# Altium PCB Antenna_base_v5.PcbDoc (part 1 of 2) (continued)
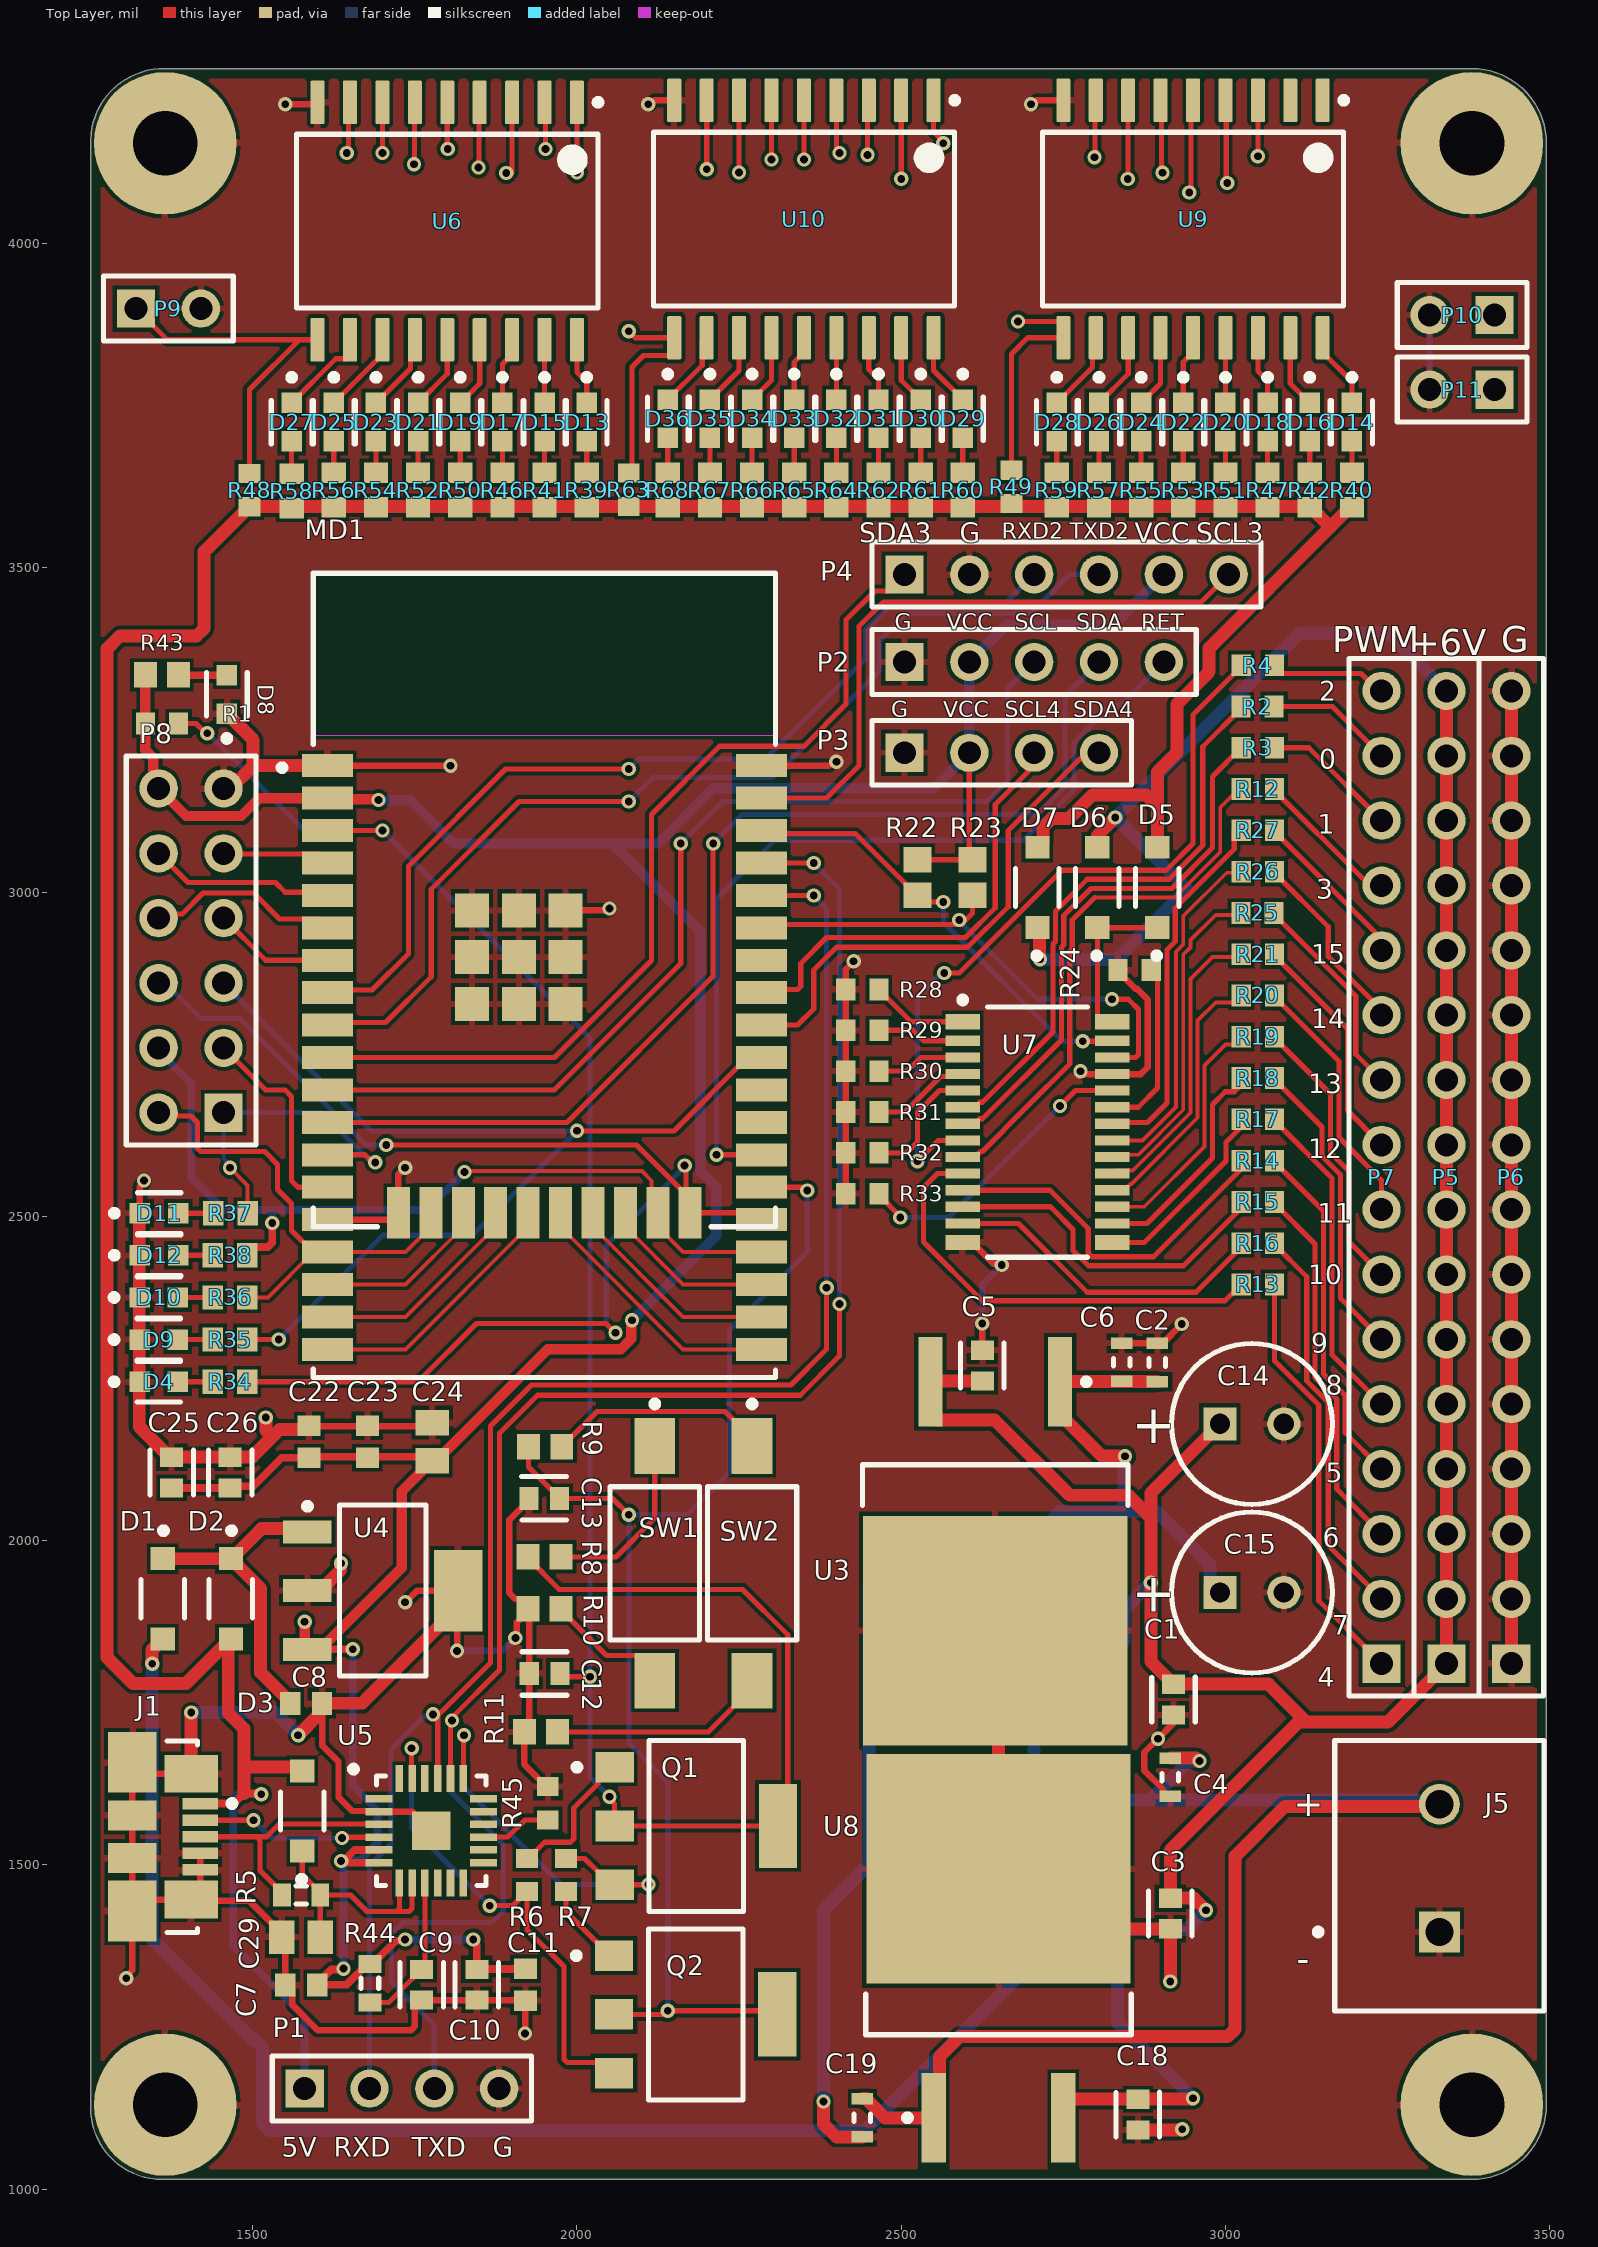
[diagram p0: Top Layer view]
## Design rules (kind name [scope] priority, off if disabled: settings)
BoardOutlineClearance [All] p1: gap=15 ignorepadtopadclearanceinfootprint=FALSE
Clearance "Clearance Polygons" [InPolygon] p1: gap=6 ignorepadtopadclearanceinfootprint=FALSE except(0: Arc-Hole Track-Hole SMDPad-Hole THPad-Hole Via-Hole Fill-Hole Poly-Hole Region-Hole Text-Hole)
Clearance [All] p2: gap=5 ignorepadtopadclearanceinfootprint=FALSE except(0: Arc-Hole Track-Hole SMDPad-Hole THPad-Hole Via-Hole Fill-Hole Poly-Hole Region-Hole Text-Hole; 2: SMDPad-Via)
ComponentClearance "HM-TRP & UFL" [InComponent('X1') vs InComponent('U1')] p1: gap=0 collisioncheckmode=3 verticalgap=0 showdistances=FALSE
ComponentClearance [All] p2: gap=0 collisioncheckmode=3 verticalgap=0 showdistances=FALSE
DiffPairsRouting [All] p1: maxlimit=393.7 minlimit=5 mostfreqgap=8 toplayer_minwidth=5 toplayer_maxwidth=15 toplayer_prefwidth=8 midlayer1_minwidth=5 midlayer1_maxwidth=15 midlayer1_prefwidth=8 midlayer2_minwidth=5 midlayer2_maxwidth=15 midlayer2_prefwidth=8 bottomlayer_minwidth=5 bottomlayer_maxwidth=15 bottomlayer_prefwidth=8 maxuncoupledlength=500
HoleSize [All] p1: absolutevalues=TRUE maxlimit=265 minlimit=10 maxpercent=80.000 minpercent=20.000
HoleToHoleClearance [All] p1: gap=10 allowstackedmicrovias=FALSE
MinimumAnnularRing [All] p1: minimumring=4
MinimumSolderMaskSliver [All] p1: minsoldermaskwidth=0
PlaneClearance [All] p1: clearance=10
PlaneConnect [All] p1: planeconnectstyle=Relief reliefexpansion=4 reliefentries=4 reliefconductorwidth=6 reliefairgap=6
PolygonConnect "Via connect style" [isVia] p1: connectstyle=Direct reliefconductorwidth=10 reliefentries=4 polygonreliefangle="90 Angle" airgapwidth=10
PolygonConnect [All] p2: connectstyle=Relief reliefconductorwidth=10 reliefentries=4 polygonreliefangle="90 Angle" airgapwidth=6
RoutingCorners [All] p1: cornerstyle=45-Degree minsetback=49.21 maxsetback=49.21
RoutingVias [All] p1: holewidth=12 width=22 viastyle="Through Hole" minholewidth=10 minwidth=18 maxholewidth=100 maxwidth=114
SilkToSilkClearance [All] p1: silktosilkclearance=0
SilkToSolderMaskClearance [IsPad] p1: minsilkscreentomaskgap=5 clearancetoexposedcopper=TRUE
SolderMaskExpansion [All] p1: expansion=2.5 istentingtop=FALSE
Width GND [InNet('GND')] p1: maxlimit=30 minlimit=10 preferedwidth=20
Width Power [InNetClass('Power')] p2: maxlimit=40 minlimit=20 preferedwidth=30
Width 3V3 [InNetClass('3V3')] p3: maxlimit=30 minlimit=10 preferedwidth=20
Width [All] p4: maxlimit=400 minlimit=6 preferedwidth=8
20 further rules are at their usual default settings.

## Classes and differential pairs
component class 13_LED_Array: D13 D14 D15 D16 D17 D18 D19 D20 D21 D22 D23 D24 D25 D26 D27 D28 D29 D30 D31 D32 D33 D34 D35 D36 P9 P10 P11 R39 R40 R41 R42 R46 R47 R48 R49 R50 R51 R52 R53 R54 R55 R56 R57 R58 R59 R60 R61 R62 R63 R64 R65 R66 R67 R68 U6 U9 U10
component class 12_OLED_SCREEN: P3
component class 11_GPS_BREAKOUT: P4
component class 10_IMU_BREAKOUT: P2
component class 08_CoreBoard: C22 C23 C24 C25 C26 D4 D8 D9 D10 D11 D12 MD1 P8 R1 R34 R35 R36 R37 R38 R43
component class 05_PWMdriver: D5 D6 D7 P5 P6 P7 R2 R3 R4 R12 R13 R14 R15 R16 R17 R18 R19 R20 R21 R22 R23 R24 R25 R26 R27 R28 R29 R30 R31 R32 R33 U7
component class 03_pushswitch: C12 C13 Q1 Q2 R6 R7 R8 R9 R10 R11 SW1 SW2
component class 02_USB2UART: C7 C8 C9 C10 C11 C29 D1 D2 D3 J1 P1 R5 R44 R45 U4 U5
component class 01_powersupply: C1 C2 C3 C4 C5 C6 C14 C15 C18 C19 J5 U1 U2 U3 U8

## Components (designator, comment, footprint, x,y, rotation, side; value= is the part's Value field where it differs from the comment)
C1 "C0603_0.1UF" FP-C0603C-CF-MFG#1 2920,1755 r270 top value="0.10 μF"
C2 "C0603_0.33UF" CAPC1608X90X20LL10 2895,2274.53 r270 top value=0.33uF
C3 "C0603_0.1UF" FP-C0603C-CF-MFG#2 2915,1425 r270 top value="0.10 μF"
C4 "C0603_0.33UF" CAPC1608X90X20LL10 2915,1635 r90 top value=0.33uF
C5 "C0603_0.1UF" FP-C0603C-CF-MFG#1 2625,2270 r90 top value="0.10 μF"
C6 "C0603_0.33UF" CAPC1608X90X20LL10 2840,2275 r270 top value=0.33uF
C7 "C0603_1UF" CAPC1608X87X35LL15T15 1575,1315 r0 top value=1uF
C8 "C0603_1UF" CAPC1608X87X35LL15T15 1582.24,1749.21 r180 top value=1uF
C9 "C0603_0.1UF" FP-C0603C-CF-MFG#1 1760.47,1315.2 r270 top value="0.10 μF"
C10 "C0603_0.1UF" FP-C0603C-CF-MFG#2 1845.47,1315.2 r270 top value="0.10 μF"
C11 "C0603_1UF" CAPC1608X87X35LL15T15 1920.47,1315.2 r90 top value=1uF
C12 "C0603_0.1UF" FP-C0603C-CF-MFG#1 1950,1795 r180 top value="0.10 μF"
C13 "C0603_0.1UF" FP-C0603C-CF-MFG#1 1949.57,2065.04 r180 top value="0.10 μF"
C14 "ECA-2AM220" CAPPR55-250-1120X630X1220 3040.79,2180 r0 top
C15 "ECA-2AM220" CAPPR55-250-1120X630X1220 3040.79,1920 r0 top
C18 "C0603_0.1UF" FP-C0603C-CF-MFG#2 2865,1115 r270 top value="0.10 μF"
C19 "C0603_0.33UF" CAPC1608X90X20LL10 2440,1110 r90 top value=0.33uF
C22 "C0603_1UF" CAPC1608X87X35LL15T15 1586.73,2152.52 r270 top value=1uF
C23 "C0603_1UF" CAPC1608X87X35LL15T15 1676.73,2152.52 r270 top value=1uF
C24 "C0805_10UF" CAPC2013X135X50LL10T20 1776.73,2152.52 r270 top value=10uF
C25 "C0603_0.1UF" FP-C0603C-CF-MFG#1 1375,2105 r90 top value="0.10 μF"
C26 "C0603_0.1UF" FP-C0603C-CF-MFG#1 1465,2105 r90 top value="0.10 μF"
C29 "C0805_10UF" CAPC2013X135X50LL10T20 1574.57,1388.43 r0 top value=10uF
D1 "DIODE_1N5819" FP-SOD123-MFG 1361.3,1910.08 r270 top value=50pF
D2 "DIODE_1N5819" FP-SOD123-MFG 1466.3,1910.08 r270 top value=50pF
D3 "DIODE_1N5819" FP-SOD123-MFG 1576.3,1583.07 r90 top value=50pF
D4 "LED0603_BLUE" FP-LTST-C191TBKT-MFG 1355,2245 r0 top
D5 "DIODE_1N5819" FP-SOD123-MFG 2895,3007.28 r90 top value=50pF
D6 "DIODE_1N5819" FP-SOD123-MFG 2802.5,3007.28 r90 top value=50pF
D7 "DIODE_1N5819" FP-SOD123-MFG 2710,3007.28 r90 top value=50pF
D8 "LED" FP-LTST-C190GKT-MFG 1460,3305 r90 top
D9 "LED0603_BLUE" FP-LTST-C191TBKT-MFG 1355,2310 r0 top
D10 "LED0603_BLUE" FP-LTST-C191TBKT-MFG 1355,2375 r0 top
D11 "LED0603_BLUE" FP-LTST-C191TBKT-MFG 1355.47,2505 r0 top
D12 "LED0603_BLUE" FP-LTST-C191TBKT-MFG 1355.47,2440 r0 top
D13 "LED0603_BLUE" FP-LTST-C191TBKT-MFG 2015,3725 r270 top
D14 "LED0603_BLUE" FP-LTST-C191TBKT-MFG 3195,3725 r270 top
D15 "LED0603_BLUE" FP-LTST-C191TBKT-MFG 1950,3725 r270 top
D16 "LED0603_BLUE" FP-LTST-C191TBKT-MFG 3130,3725 r270 top
D17 "LED0603_BLUE" FP-LTST-C191TBKT-MFG 1885,3725 r270 top
D18 "LED0603_BLUE" FP-LTST-C191TBKT-MFG 3065,3725 r270 top
D19 "LED0603_BLUE" FP-LTST-C191TBKT-MFG 1820,3725 r270 top
D20 "LED0603_BLUE" FP-LTST-C191TBKT-MFG 3000,3725 r270 top
D21 "LED0603_BLUE" FP-LTST-C191TBKT-MFG 1755,3725 r270 top
D22 "LED0603_BLUE" FP-LTST-C191TBKT-MFG 2935,3725 r270 top
D23 "LED0603_BLUE" FP-LTST-C191TBKT-MFG 1690,3725 r270 top
D24 "LED0603_BLUE" FP-LTST-C191TBKT-MFG 2870,3725 r270 top
D25 "LED0603_BLUE" FP-LTST-C191TBKT-MFG 1625,3725 r270 top
D26 "LED0603_BLUE" FP-LTST-C191TBKT-MFG 2805,3725 r270 top
D27 "LED0603_BLUE" FP-LTST-C191TBKT-MFG 1560,3725 r270 top
D28 "LED0603_BLUE" FP-LTST-C191TBKT-MFG 2740,3725 r270 top
D29 "LED0603_BLUE" FP-LTST-C191TBKT-MFG 2595,3730 r270 top
D30 "LED0603_BLUE" FP-LTST-C191TBKT-MFG 2530,3730 r270 top
D31 "LED0603_BLUE" FP-LTST-C191TBKT-MFG 2465,3730 r270 top
D32 "LED0603_BLUE" FP-LTST-C191TBKT-MFG 2400,3730 r270 top
D33 "LED0603_BLUE" FP-LTST-C191TBKT-MFG 2335,3730 r270 top
D34 "LED0603_BLUE" FP-LTST-C191TBKT-MFG 2270,3730 r270 top
D35 "LED0603_BLUE" FP-LTST-C191TBKT-MFG 2205,3730 r270 top
D36 "LED0603_BLUE" FP-LTST-C191TBKT-MFG 2140,3730 r270 top
J1 "47346-0001" MOLX-47346-0001-5_V 1322.24,1543.43 r270 top
J5 "282836-2" TECO-282836-2_V 3330,1495 r90 top
MD1 "ESP32-WROOM-32D" FP-ESP32-WROOM-32D-MFG 1949.65,2987.91 r0 top
P1 "Header 4" HDR1X4 1580,1155 r0 top
P2 "Header 5" HDR1X5 2505,3355 r0 top
P3 "Header 4" HDR1X4 2505,3215 r0 top
P4 "Header 6" HDR1X6 2505,3490 r0 top
P5 "Header 16" HDR1X16 3340.79,1810.35 r90 top
P6 "Header 16" HDR1X16 3440.79,1810.35 r90 top
P7 "Header 16" HDR1X16 3240.79,1810.35 r90 top
P8 "Header 6X2" HDR2X6 1455,2660 r90 top
P9 "Header 2" HDR1X2 1320,3900 r0 top
P10 "Header 2" HDR1X2 3415,3890 r180 top
P11 "Header 2" HDR1X2 3415,3775 r180 top
Q1 "BCP56-16" FP-SOT-223-P008-MFG#1 2184.02,1560 r0 top
Q2 "BCP56-16" FP-SOT-223-P008-MFG#2 2183.03,1269.45 r0 top
R1 "R0603_10K" RESC1609X55X30LL15T15 1360,3260 r0 top value=10k
R2 "R0603_10K" RESC1609X55X30LL15T15 3049.41,3286.33 r0 top value=10k
R3 "R0603_10K" RESC1609X55X30LL15T15 3050,3222.67 r0 top value=10k
R4 "R0603_10K" RESC1609X55X30LL15T15 3050,3350 r0 top value=10k
R5 "R0603_4.7K" J1-0603 1574.57,1453.43 r180 top value=4.7K
R6 "R0603_10K" RESC1609X55X30LL15T15 1923.03,1484.45 r90 top value=10k
R7 "R0603_10K" RESC1609X55X30LL15T15 1983.03,1484.45 r270 top value=10k
R8 "R0603_120R" RESC1608X55X30NL20T20 1950,1975 r180 top value=120ohm
R9 "R0603_120R" RESC1608X55X30NL20T20 1950.94,2145.04 r180 top value=120ohm
R10 "R0603_120R" RESC1608X55X30NL20T20 1950,1895 r0 top value=120ohm
R11 "R0603_120R" RESC1608X55X30NL20T20 1944.41,1705 r0 top value=120ohm
R12 "R0603_10K" RESC1609X55X30LL15T15 3050,3159 r0 top value=10k
R13 "R0603_10K" RESC1609X55X30LL15T15 3050,2395 r0 top value=10k
R14 "R0603_10K" RESC1609X55X30LL15T15 3050,2586 r0 top value=10k
R15 "R0603_10K" RESC1609X55X30LL15T15 3050,2522.33 r0 top value=10k
R16 "R0603_10K" RESC1609X55X30LL15T15 3050,2458.67 r0 top value=10k
R17 "R0603_10K" RESC1609X55X30LL15T15 3050,2649.67 r0 top value=10k
R18 "R0603_10K" RESC1609X55X30LL15T15 3050,2713.33 r0 top value=10k
R19 "R0603_10K" RESC1609X55X30LL15T15 3050,2777 r0 top value=10k
R20 "R0603_10K" RESC1609X55X30LL15T15 3050,2840.67 r0 top value=10k
R21 "R0603_10K" RESC1609X55X30LL15T15 3050,2904.33 r0 top value=10k
R22 "R0603_2.4K" RESC1608X50X30ML20T20 2525,3022.56 r90 top value=2.4kR
R23 "R0603_2.4K" RESC1608X50X30ML20T20 2610,3022.56 r90 top value=2.4kR
R24 "R0603_10K" RESC1609X55X30LL15T15 2860,2880 r180 top value=10k
R25 "R0603_10K" RESC1609X55X30LL15T15 3049.41,2968 r0 top value=10k
R26 "R0603_10K" RESC1609X55X30LL15T15 3050,3031.67 r0 top value=10k
R27 "R0603_10K" RESC1609X55X30LL15T15 3050,3095.33 r0 top value=10k
R28 "R0603_10K" RESC1609X55X30LL15T15 2440,2850 r0 top value=10k
R29 "R0603_10K" RESC1609X55X30LL15T15 2440,2787 r0 top value=10k
R30 "R0603_10K" RESC1609X55X30LL15T15 2440,2724 r0 top value=10k
R31 "R0603_10K" RESC1609X55X30LL15T15 2440,2661 r0 top value=10k
R32 "R0603_10K" RESC1609X55X30LL15T15 2440,2598 r0 top value=10k
R33 "R0603_10K" RESC1609X55X30LL15T15 2440,2535 r0 top value=10k
R34 "R0603_470R" RESC1608X55X30NL15T15 1465,2245 r180 top value=470
R35 "R0603_470R" RESC1608X55X30NL15T15 1465,2310 r180 top value=470
R36 "R0603_470R" RESC1608X55X30NL15T15 1465,2375 r180 top value=470
R37 "R0603_470R" RESC1608X55X30NL15T15 1465.47,2505 r180 top value=470
R38 "R0603_470R" RESC1608X55X30NL15T15 1465,2440 r180 top value=470
R39 "R0603_470R" RESC1608X55X30NL15T15 2015,3620 r90 top value=470
R40 "R0603_470R" RESC1608X55X30NL15T15 3195,3620 r90 top value=470
R41 "R0603_470R" RESC1608X55X30NL15T15 1950,3620 r90 top value=470
R42 "R0603_470R" RESC1608X55X30NL15T15 3130,3620 r90 top value=470
R43 "R0603_120R" RESC1608X55X30NL20T20 1360,3335 r0 top value=120ohm
R44 "R0603_4.7K" J1-0603 1680.47,1317.48 r90 top value=4.7K
R45 "R0603_10K" RESC1609X55X30LL15T15 1955,1595 r90 top value=10k
R46 "R0603_470R" RESC1608X55X30NL15T15 1885,3620 r90 top value=470
R47 "R0603_470R" RESC1608X55X30NL15T15 3065,3620 r90 top value=470
R48 "R0603_10K" RESC1609X55X30LL15T15 1495,3620 r90 top value=10k
R49 "R0603_10K" RESC1609X55X30LL15T15 2670,3625 r90 top value=10k
R50 "R0603_470R" RESC1608X55X30NL15T15 1820,3620 r90 top value=470
R51 "R0603_470R" RESC1608X55X30NL15T15 3000,3620 r90 top value=470
R52 "R0603_470R" RESC1608X55X30NL15T15 1755,3620 r90 top value=470
R53 "R0603_470R" RESC1608X55X30NL15T15 2935,3620 r90 top value=470
R54 "R0603_470R" RESC1608X55X30NL15T15 1690,3620 r90 top value=470
R55 "R0603_470R" RESC1608X55X30NL15T15 2870,3620 r90 top value=470
R56 "R0603_470R" RESC1608X55X30NL15T15 1625,3620 r90 top value=470
R57 "R0603_470R" RESC1608X55X30NL15T15 2805,3620 r90 top value=470
R58 "R0603_470R" RESC1608X55X30NL15T15 1560,3618.43 r90 top value=470
R59 "R0603_470R" RESC1608X55X30NL15T15 2740,3620 r90 top value=470
R60 "R0603_470R" RESC1608X55X30NL15T15 2595,3620 r90 top value=470
R61 "R0603_470R" RESC1608X55X30NL15T15 2530,3620 r90 top value=470
R62 "R0603_470R" RESC1608X55X30NL15T15 2465,3620 r90 top value=470
R63 "R0603_10K" RESC1609X55X30LL15T15 2080,3620.59 r90 top value=10k
R64 "R0603_470R" RESC1608X55X30NL15T15 2400,3620 r90 top value=470
R65 "R0603_470R" RESC1608X55X30NL15T15 2335,3620 r90 top value=470
R66 "R0603_470R" RESC1608X55X30NL15T15 2270,3620 r90 top value=470
R67 "R0603_470R" RESC1608X55X30NL15T15 2205,3620 r90 top value=470
R68 "R0603_470R" RESC1608X55X30NL15T15 2140,3620 r90 top value=470
SW1 "push_button" TECO-FSMSMTR_V 2120,1965 r270 top
SW2 "push_button" TECO-FSMSMTR_V 2270,1965 r270 top
U1 "L7806CD2T-TR" TO-263_L 2597.8,1945 r180 bottom
U2 "L7806CD2T-TR" TO-263_L 2587.8,1500 r180 bottom
U3 "L7806CD2T-TR" TO-263_L 2645,1998.94 r270 top
U4 "MCP1826S-3302E/DB" SOT-223-DB3_L 1700.47,1922.95 r0 top
U5 "CP2102N-A01-GQFN24" SLAB-QFN-24-2550x2550TP_A_V 1775.34,1552.64 r0 top
U6 "ULN2803ADWR" DW0018A_L 1800,4035 r270 top
U7 "PCA9685PW" SOT361-1_V 2710,2630 r0 top
U8 "L7806CD2T-TR" TO-263_L 2650,1356.06 r90 top
U9 "ULN2803ADWR" DW0018A_L 2950,4038.07 r270 top
U10 "ULN2803ADWR" DW0018A_L 2350,4038.07 r270 top

## Footprints (in the part's own frame and the unit in brackets; to place one, negate y for a bottom-side part, rotate by r counter-clockwise, add the part's x,y. Pads: shape width x height; smd on the part's side, far side on the other; paste and mask are expansions set on the pad)
CAPC1608X87X35LL15T15 [mm] "Chip Capacitor, 2-Leads, Body 1.60x0.80mm, IPC High Density"
  rect 0.8x0.9 smd: 1(-0.625,0) 2(0.625,0)
  body extent -0.87,-0.48 0.87,0.48, height 0.87
CAPC1608X90X20LL10 [mm] "Chip Capacitor, 2-Leads, Body 1.70x0.90mm, IPC High Density"
  rect 0.45x0.85 smd: 1(-0.75,0) 2(0.75,0)
  silkscreen extent -0.15,-0.33 0.15,0.33, body extent -0.85,-0.45 0.85,0.45, height 0.9
CAPC2013X135X50LL10T20 [mm] "Chip Capacitor, 2-Leads, Body 2.00x1.25mm, IPC High Density"
  rect 1x1.3 smd: 1(-0.75,0) 2(0.75,0)
  body extent -1.05,-0.67 1.05,0.68, height 1.35
CAPPR55-250-1120X630X1220 [mm] "THD, 2-Leads, Dia 6.3mm, Body Length 11.2mm"
  rect 1.3x1.3 hole 0.8: 1(-1.25,0)
  round 1.3 hole 0.8: 2(1.25,0)
  silkscreen extent -3.15,-3.15 3.15,3.15, body extent -3.15,-3.15 3.16,3.15, height 12.21
DW0018A_L [mm] "SOIC, 18-Leads, Body 11.8x7.6mm, Pitch 1.27mm, IPC High Density"
  rrect18% 1.7x0.55 smd: 1(-4.65,5.08) 2(-4.65,3.81) 3(-4.65,2.54) 4(-4.65,1.27) 5(-4.65,0) 6(-4.65,-1.27) 7(-4.65,-2.54) 8(-4.65,-3.81) 9(-4.65,-5.08) 10(4.65,-5.08) 11(4.65,-3.81) 12(4.65,-2.54) 13(4.65,-1.27) 14(4.65,0) 15(4.65,1.27) 16(4.65,2.54) 17(4.65,3.81) 18(4.65,5.08)
  silkscreen extent -4.77,-5.9 3.4,6.03, body extent -3.8,-5.9 3.8,5.9, height 2.65
FP-C0603C-CF-MFG#1 [mm]
  rect 0.75x0.9 smd: 1(-0.6,0) 2(0.6,0)
  silkscreen extent -0.87,-0.85 0.88,0.85, body extent -0.8,-0.4 0.8,0.4, height 0.87
FP-C0603C-CF-MFG#2 [mm]
  rect 0.75x0.9 smd paste+0 mask+0: 1(-0.6,0) 2(0.6,0)
  silkscreen extent -0.87,-0.85 0.88,0.85, body extent -0.8,-0.4 0.8,0.4, height 0.87
FP-ESP32-WROOM-32D-MFG [mm]
  rect 2x0.9 smd paste+0 mask+0: 1(-8.5,5.26) 2(-8.5,3.99) 3(-8.5,2.72) 4(-8.5,1.45) 5(-8.5,0.18) 6(-8.5,-1.09) 7(-8.5,-2.36) 8(-8.5,-3.63) 9(-8.5,-4.9) 10(-8.5,-6.17) 11(-8.5,-7.44) 12(-8.5,-8.71) 13(-8.5,-9.98) 14(-8.5,-11.25) 15(-8.5,-12.52) 16(-8.5,-13.79) 17(-8.5,-15.06) 18(-8.5,-16.33) 19(-8.5,-17.6) 20(8.5,-17.6) 21(8.5,-16.33) 22(8.5,-15.06) 23(8.5,-13.79) 24(8.5,-12.52) 25(8.5,-11.25) 26(8.5,-9.98) 27(8.5,-8.71) 28(8.5,-7.44) 29(8.5,-6.17) 30(8.5,-4.9) 31(8.5,-3.63) 32(8.5,-2.36) 33(8.5,-1.09) 34(8.5,0.18) 35(8.5,1.45) 36(8.5,2.72) 37(8.5,3.99) 38(8.5,5.26)
  rect 0.9x2 smd paste+0 mask+0: 15(-5.715,-12.25) 16(-4.445,-12.25) 17(-3.175,-12.25) 18(-1.905,-12.25) 19(-0.635,-12.25) 20(0.635,-12.25) 21(1.905,-12.25) 22(3.175,-12.25) 23(4.445,-12.25) 24(5.715,-12.25)
  rect 1.33x1.33 smd paste+0 mask+0: 39(-2.835,-4.075) 39(-2.835,-2.24) 39(-2.835,-0.405) 39(-1,-4.075) 39(-1,-2.24) 39(-1,-0.405) 39(0.835,-4.075) 39(0.835,-2.24) 39(0.835,-0.405)
  Keep-Out Layer region: -9,6.45 9,6.45 9,12.75 -9,12.75
  Keep-Out Layer region: -9,6.45 9,6.45 9,12.75 -9,12.75
  silkscreen extent -10.4,-18.7 9.05,12.8, body extent -9.6,-13.35 9.6,12.9, height 0.25
FP-LTST-C190GKT-MFG [mm]
  rect 0.8x0.8 smd: 1(-0.75,0) 2(0.75,0)
  silkscreen extent -1.85,-0.8 0.85,0.8, body extent -1.25,-0.55 1.25,0.55, height 0.25
FP-LTST-C191TBKT-MFG [mm]
  rect 0.8x0.8 smd paste+0 mask+0: 1(-0.75,0) 2(0.75,0)
  silkscreen extent -1.87,-0.8 0.85,0.8, body extent -1.25,-0.55 1.25,0.55, height 0.25
FP-SOD123-MFG [mm]
  rect 0.9x0.95 smd: 1(-1.575,0) 2(1.575,0)
  silkscreen extent -2.8,-0.85 0.75,0.85, body extent -2.12,-0.95 2.12,0.95, height 0.25
FP-SOT-223-P008-MFG#1 [mm]
  rect 1.5x1.2 smd: 1(-3.2,2.3) 2(-3.2,0) 3(-3.2,-2.3)
  rect 1.5x3.3 smd: 2(3.2,0)
  silkscreen extent -4.8,-3.35 1.85,3.35, body extent -4.05,-3.45 4.05,3.45, height 0.25
FP-SOT-223-P008-MFG#2 [mm]
  rect 1.5x1.2 smd paste+0 mask+0: 1(-3.2,2.3) 2(-3.2,0) 3(-3.2,-2.3)
  rect 1.5x3.3 smd paste+0 mask+0: 2(3.2,0)
  silkscreen extent -4.8,-3.35 1.85,3.35, body extent -4.05,-3.45 4.05,3.45, height 0.25
HDR1X2 [mm] "Connector; Header; 2 Position"
  rect 1.5x1.5 hole 0.9: 1(0,0)
  round 1.5 hole 0.9: 2(2.54,0)
  silkscreen extent -1.27,-1.27 3.81,1.27
HDR1X4 [mm] "Connector; Header; 4 Position"
  rect 1.5x1.5 hole 0.9: 1(0,0)
  round 1.5 hole 0.9: 2(2.54,0) 3(5.08,0) 4(7.62,0)
  silkscreen extent -1.27,-1.27 8.89,1.27
HDR1X5 [mm] "Connector; Header; 5 Position"
  rect 1.5x1.5 hole 0.9: 1(0,0)
  round 1.5 hole 0.9: 2(2.54,0) 3(5.08,0) 4(7.62,0) 5(10.16,0)
  silkscreen extent -1.27,-1.27 11.43,1.27
HDR1X6 [mm] "Connector; Header; 6 Position"
  rect 1.5x1.5 hole 0.9: 1(0,0)
  round 1.5 hole 0.9: 2(2.54,0) 3(5.08,0) 4(7.62,0) 5(10.16,0) 6(12.7,0)
  silkscreen extent -1.27,-1.27 13.97,1.27
HDR1X16 [mm] "Connector; Header; 16 Position"
  rect 1.5x1.5 hole 0.9: 1(0,0)
  round 1.5 hole 0.9: 2(2.54,0) 3(5.08,0) 4(7.62,0) 5(10.16,0) 6(12.7,0) 7(15.24,0) 8(17.78,0) 9(20.32,0) 10(22.86,0) 11(25.4,0) 12(27.94,0) 13(30.48,0) 14(33.02,0) 15(35.56,0) 16(38.1,0)
  silkscreen extent -1.27,-1.27 39.37,1.27
HDR2X6 [mm] "Connector; Header; 6x2 Position"
  rect 1.5x1.5 hole 0.9: 1(0,0)
  round 1.5 hole 0.9: 2(0,2.54) 3(2.54,0) 4(2.54,2.54) 5(5.08,0) 6(5.08,2.54) 7(7.62,0) 8(7.62,2.54) 9(10.16,0) 10(10.16,2.54) 11(12.7,0) 12(12.7,2.54)
  silkscreen extent -1.27,-1.27 13.97,3.81